# Allegro board 8880F5-0824_updates.brd (continued)
## Routing (per net, layer and track width the routed paths; a pad name or vN(x,y) marks a point on that pad's centre or on a via; arc(x,y) is an arc through that point) (continued)
D11914: length 833.7
  TOP w0.086: SITE3.125 245.03,197.78 245.11,197.86 245.11,200.65 242.49,203.28 242.49,210.41 v1(242.02,210.88)
  L07_SIGNAL w0.071: v1(198.44,202.42) 198.91,202.89 199.6,202.89 200.29,203.58 200.29,205.5 198.95,206.83 192.42,206.83 183.43,197.84 183.43,135.88 185.58,133.73 185.58,125.68 204.15,107.11 204.15,64.73 201.58,62.16 196.11,62.16 194.96,61.01 194.96,60.34 D119.14
  L30_SIGNAL w0.071: v1(242.02,210.88) 242.49,210.41 242.49,204.65 236.48,198.64 229.25,198.64 221.74,206.15 181.38,206.15 180.11,204.88 180.11,201.91 179.48,201.29 170.42,201.29 168.13,198.99 101.23,198.99 100.17,197.92 46.81,197.92 46.07,197.19 46.07,188.87 47.54,187.4 83.97,187.4 88.67,182.7 93.35,182.7 95.43,184.78 106.11,184.78 108.22,182.68 147.34,182.68 148.68,184.01 148.68,185.55 148.09,186.14 87.15,186.14 84.84,188.46 48.72,188.46 47.28,189.9 47.28,191 48.38,192.11 69.27,192.11 69.74,192.58 69.74,193.32 69.24,193.83 49.08,193.83 48.08,194.83 48.08,196.34 48.41,196.67 166.24,196.67 167.36,197.79 185.53,197.79 189.2,201.46 195.78,201.46 197.21,202.89 197.97,202.89 v1(198.44,202.42)
D11915: length 833.7
  TOP w0.086: v1(244,209.15) 244.46,208.69 244.46,203.07 245.91,201.61 245.91,197.86 245.83,197.78 SITE3.123
  L07_SIGNAL w0.071: v1(212.03,202.42) 212.5,202.89 213.53,202.89 214.33,203.7 214.33,211.09 219.74,216.5 219.74,224.9 227.79,232.95 258.37,232.95 262.12,236.7 262.12,249.59 256.49,255.21 240.16,255.21 233.35,248.4 233.35,245.96 231.87,244.48 225.55,244.48 222.48,241.41 216.95,241.41 215.88,240.34 215.88,222.58 213.17,219.86 208.97,219.86 208.1,219 208.1,135.57 207.32,134.79 206.14,134.79 205.29,135.64 205.29,219.56 204.74,220.11 203.97,220.11 203.59,219.73 203.59,139.43 203.45,139.3 202.88,139.3 202.65,139.53 202.65,200.32 201.5,201.47 200.31,201.47 199.61,200.78 199.61,147.25 198.69,146.33 197.52,146.33 196.61,147.25 196.61,199.71 195.48,200.83 194.68,200.83 193.95,200.1 193.95,141.32 205.18,130.08 205.18,53.16 202.13,50.11 194.28,50.11 193.38,51 193.38,53.56 193.38,53.68 D119.15
  L30_SIGNAL w0.071: v1(244,209.15) 244.47,208.68 244.47,203.83 238.43,197.79 228.75,197.79 221.66,204.87 211.29,204.87 210.91,204.49 210.91,203.33 211.35,202.89 211.55,202.89 v1(212.03,202.42)
D11916: length 833.7
  TOP w0.086: v1(243.16,210.88) 242.73,210.45 242.73,203.37 245.35,200.75 245.35,197.86 245.43,197.78 SITE3.124
  L07_SIGNAL w0.071: D119.16 196.92,59.62 195.42,59.62 195.16,59.88 195.16,60.93 196.19,61.96 201.66,61.96 204.35,64.65 204.35,107.19 185.78,125.76 185.78,133.82 183.63,135.96 183.63,197.76 192.5,206.63 198.87,206.63 200.09,205.41 200.09,203.66 199.51,203.09 198.91,203.09 v1(198.44,203.56)
  L30_SIGNAL w0.071: v1(243.16,210.88) 242.69,210.41 242.69,204.57 236.56,198.44 229.17,198.44 221.65,205.96 181.46,205.96 180.31,204.8 180.31,201.83 179.56,201.09 170.51,201.09 168.21,198.79 101.31,198.79 100.25,197.73 46.89,197.73 46.27,197.11 46.27,188.95 47.62,187.6 84.05,187.6 88.75,182.9 93.26,182.9 95.35,184.98 106.19,184.98 108.3,182.87 147.26,182.87 148.48,184.1 148.48,185.47 148,185.95 87.07,185.95 84.76,188.26 48.63,188.26 47.08,189.81 47.08,191.08 48.3,192.3 69.19,192.3 69.54,192.66 69.54,193.24 69.16,193.63 48.99,193.63 47.88,194.75 47.88,196.43 48.33,196.87 166.16,196.87 167.28,197.99 185.45,197.99 189.12,201.66 195.7,201.66 197.13,203.08 197.96,203.08 v1(198.44,203.56)
D12001: length 833.7
  TOP w0.086: v1(267.64,208.93) 267.21,208.5 267.21,207.41 265.32,205.52 265.32,204.13 259.35,198.16 259.35,197.86 259.43,197.78 SITE3.89
  L05_SIGNAL w0.071: v1(164.91,176.13) 165.38,175.66 166.14,175.66 166.45,175.35 166.45,173.91 165.47,172.93 161.09,172.93 153.24,180.78 153.24,204.08 161.67,212.52 161.67,250.09 164.89,253.31 170.65,253.31 172.16,254.82 172.16,261.28 170.41,263.03 89.35,263.03 57.44,231.12 57.44,132.05 76.26,113.24 76.26,29.23 83.54,21.94 159.24,21.94 162.12,24.81 162.12,33.46 D120.01
  L32_SIGNAL w0.071: v1(164.91,176.13) 164.91,175.73 164.84,175.66 158.34,175.66 153.4,170.72 153.4,145.59 160.47,138.52 205.52,138.52 209.84,134.2 228.76,134.2 230.59,136.03 272.08,136.03 281.97,145.92 281.97,198.37 279.78,200.56 274.59,200.56 271.41,197.39 263.24,197.39 261.46,199.16 261.46,201.88 267.17,207.59 267.17,208.46 v1(267.64,208.93)
D12002: length 833.7
  TOP w0.086: v1(224.31,195.45) 224.75,195.01 232.43,195.01 235.88,191.55 237.6,191.55 237.68,191.63 SITE3.137
  L05_SIGNAL w0.071: D120.02 164.78,40.32 164.78,43.4 163.92,44.25 159.16,44.25 155.7,40.8 155.7,26.35 152.61,23.26 86.39,23.26 78.5,31.16 78.5,115.42 61.3,132.62 61.3,230.18 91.35,260.23 162.74,260.23 163.67,261.16 169.48,261.16 170.07,260.56 170.07,255.27 169.09,254.29 154.07,254.29 151.34,257.03 91.41,257.03 90.91,256.52 90.91,255.94 91.36,255.49 135.91,255.49 136.48,254.92 136.48,254 135.93,253.45 112.57,253.45 111.71,252.59 111.71,251.52 112.67,250.56 140.64,250.56 144.93,246.27 144.93,174.24 156.97,162.2 164.44,162.2 v1(164.91,162.67)
  L32_SIGNAL w0.071: v1(224.31,195.45) 223.83,194.98 220.42,194.98 216.38,190.94 216.38,176.23 210.94,170.79 173.56,170.79 171.92,169.15 171.92,167.34 166.77,162.2 165.38,162.2 v1(164.91,162.67)
D12003: length 833.7
  TOP w0.086: SITE3.90 259.03,197.78 259.11,197.86 259.11,198.26 265.08,204.23 265.08,205.62 266.97,207.51 266.97,208.46 v1(266.5,208.93)
  L05_SIGNAL w0.071: v1(164.91,174.99) 165.38,175.46 166.06,175.46 166.25,175.27 166.25,173.99 165.39,173.13 161.17,173.13 153.44,180.87 153.44,204 161.87,212.43 161.87,250.01 164.97,253.12 170.74,253.12 172.36,254.74 172.36,261.37 170.5,263.23 89.27,263.23 57.24,231.2 57.24,131.97 76.06,113.15 76.06,29.14 83.46,21.74 159.33,21.74 162.31,24.73 162.31,33.37 163.08,34.14 163.68,34.14 D120.03
  L32_SIGNAL w0.071: v1(266.5,208.93) 266.97,208.46 266.97,207.67 261.26,201.96 261.26,199.08 263.16,197.19 271.5,197.19 274.67,200.36 279.7,200.36 281.77,198.29 281.77,146 272,136.23 230.5,136.23 228.68,134.4 209.92,134.4 205.61,138.72 160.56,138.72 153.6,145.67 153.6,170.64 158.42,175.46 164.84,175.46 164.91,175.39 v1(164.91,174.99)
D12004: length 833.7
  TOP w0.086: v1(224.31,194.31) 224.76,194.77 232.33,194.77 235.78,191.31 237.6,191.31 237.68,191.23 SITE3.138
  L05_SIGNAL w0.071: v1(164.91,161.52) 164.44,162 156.89,162 144.73,174.16 144.73,246.19 140.56,250.36 112.59,250.36 111.51,251.44 111.51,252.67 112.49,253.65 135.85,253.65 136.28,254.08 136.28,254.84 135.83,255.3 91.28,255.3 90.71,255.86 90.71,256.61 91.33,257.22 151.42,257.22 154.15,254.49 169.01,254.49 169.87,255.35 169.87,260.48 169.39,260.96 163.75,260.96 162.82,260.03 91.43,260.03 61.5,230.1 61.5,132.7 78.7,115.51 78.7,31.24 86.47,23.46 152.53,23.46 155.5,26.43 155.5,40.88 159.07,44.45 164,44.45 164.98,43.48 164.98,40.51 165.66,39.83 165.91,39.83 D120.04
  L32_SIGNAL w0.071: v1(164.91,161.52) 165.38,162 166.86,162 172.12,167.26 172.12,169.07 173.64,170.59 211.02,170.59 216.57,176.14 216.57,190.86 220.5,194.78 223.83,194.78 v1(224.31,194.31)
D12005: length 833.7
  TOP w0.086: SITE3.129 243.43,197.78 243.35,197.86 243.35,199.29 238.85,203.79 238.85,210.43 v1(239.3,210.88)
  L05_SIGNAL w0.071: D120.05 172.63,33.11 172.63,23.4 169.58,20.35 82.08,20.35 74.13,28.3 74.13,109.74 53.15,130.72 53.15,231.94 86.04,264.83 165.48,264.83 167.38,266.74 225.32,266.74 228.61,270.03 233.47,270.03 240.62,262.87 254.08,262.87 256.37,260.59 256.37,236.38 253.35,233.37 228.05,233.37 224.23,229.54 217.49,229.54 213.5,233.53 180.8,233.53 179.84,232.57 179.84,224.17 158.31,202.64 158.31,185.6 159.73,184.18 164.84,184.18 166.55,185.89 166.55,188.51 165.95,189.12 165.38,189.12 v1(164.91,189.59)
  L32_SIGNAL w0.071: v1(164.91,189.59) 165.38,189.12 166.7,189.12 169.03,191.45 169.03,198.91 171.62,201.5 214.49,201.5 225.41,212.42 238.41,212.42 238.83,212 238.83,211.35 v1(239.3,210.88)
D12006: length 833.7
  TOP w0.086: SITE3.142 237.68,189.63 237.6,189.55 233.04,189.55 231.83,190.76 224.76,190.76 v1(224.31,191.21)
  L05_SIGNAL w0.071: v1(164.91,148.95) 164.44,148.48 158.07,148.48 141.57,164.98 141.57,238.81 139.94,240.44 124.06,240.44 123.81,240.69 123.81,241.43 124.16,241.78 142.27,241.78 143.05,242.56 143.05,243.93 142.4,244.58 84.27,244.58 83.78,245.07 83.78,245.66 84.35,246.23 140.83,246.23 141.55,246.95 141.55,247.72 140.64,248.62 89,248.62 88.54,249.08 88.54,249.67 89.1,250.24 108,250.24 109.05,251.29 109.05,253.17 107.92,254.3 90.62,254.3 64.22,227.9 64.22,207.64 66.12,205.74 66.12,132.35 80.42,118.05 80.42,32.5 87.92,25 150.23,25 152.6,27.36 152.6,41.55 157.08,46.03 173.24,46.03 174.86,44.41 174.86,40.24 D120.06
  L32_SIGNAL w0.071: v1(164.91,148.95) 165.38,148.48 166.77,148.48 167.53,149.25 175.28,149.25 176.77,150.74 176.77,163.62 180.67,167.51 217.11,167.51 219.96,170.36 219.96,188.61 220.48,189.13 222.3,189.13 222.78,189.6 222.78,190.33 223.19,190.74 223.83,190.74 v1(224.31,191.21)
D12007: length 833.7
  TOP w0.086: v1(238.16,210.88) 238.61,210.43 238.61,203.69 243.11,199.19 243.11,197.86 243.03,197.78 SITE3.130
  L05_SIGNAL w0.071: v1(164.91,188.45) 165.38,188.92 165.86,188.92 166.35,188.43 166.35,185.98 164.75,184.38 159.81,184.38 158.51,185.68 158.51,202.55 180.04,224.09 180.04,232.49 180.88,233.33 213.42,233.33 217.4,229.35 224.31,229.35 228.13,233.17 253.44,233.17 256.56,236.3 256.56,260.67 254.17,263.07 240.71,263.07 233.55,270.23 228.53,270.23 225.24,266.93 167.3,266.93 165.39,265.03 85.96,265.03 52.95,232.02 52.95,130.63 73.93,109.66 73.93,28.22 82,20.15 169.66,20.15 172.83,23.31 172.83,33.13 D120.07
  L32_SIGNAL w0.071: v1(238.16,210.88) 238.63,211.35 238.63,211.91 238.32,212.22 225.49,212.22 214.58,201.31 171.7,201.31 169.23,198.83 169.23,191.37 166.78,188.92 165.38,188.92 v1(164.91,188.45)
D12008: length 833.7
  TOP w0.086: v1(224.31,190.07) 224.76,190.52 231.73,190.52 232.94,189.31 237.6,189.31 237.68,189.23 SITE3.143
  L05_SIGNAL w0.071: D120.08 176.28,39.62 176.16,39.62 175.06,40.71 175.06,44.49 173.32,46.23 157,46.23 152.4,41.63 152.4,27.44 150.15,25.19 88,25.19 80.61,32.58 80.61,118.14 66.32,132.43 66.32,205.82 64.42,207.72 64.42,227.82 90.7,254.1 107.84,254.1 108.86,253.09 108.86,251.38 107.92,250.44 89.02,250.44 88.34,249.76 88.34,249 88.92,248.42 140.56,248.42 141.35,247.64 141.35,247.03 140.74,246.43 84.27,246.43 83.59,245.75 83.59,244.99 84.19,244.39 142.32,244.39 142.85,243.85 142.85,242.64 142.19,241.98 124.08,241.98 123.61,241.51 123.61,240.61 123.97,240.24 139.86,240.24 141.37,238.73 141.37,164.9 157.99,148.28 164.44,148.28 v1(164.91,147.81)
  L32_SIGNAL w0.071: v1(164.91,147.81) 165.38,148.28 166.85,148.28 167.62,149.05 175.36,149.05 176.97,150.66 176.97,163.53 180.75,167.31 217.2,167.31 220.16,170.27 220.16,188.53 220.56,188.93 222.38,188.93 222.98,189.52 222.98,190.25 223.27,190.54 223.83,190.54 v1(224.31,190.07)
D12009: length 833.7
  TOP w0.086: v1(227.6,193.14) 228.04,192.7 231.52,192.7 233.88,190.35 237.6,190.35 237.68,190.43 SITE3.140
  L05_SIGNAL w0.071: v1(178.5,148.95) 178.97,148.48 179.83,148.48 180.36,147.95 180.36,146.3 178.51,144.45 174.56,144.45 170.6,140.49 145.53,140.49 132.15,153.87 132.15,176.04 131.17,177.02 110.96,177.02 110.24,177.74 110.24,179.79 111.43,180.99 131.81,180.99 132.23,181.41 132.23,182.12 131.79,182.56 119.54,182.56 117.61,184.49 96.67,184.49 95.95,183.77 81.55,183.77 80.92,184.4 80.92,185.56 81.51,186.16 130.94,186.16 132.32,187.53 132.32,188.47 131.89,188.9 119.27,188.9 117.46,187.09 106.24,187.09 104.19,189.14 82.23,189.14 81.41,189.95 81.41,191.56 82.14,192.29 94.31,192.29 95.96,190.63 131.73,190.63 132.79,191.69 132.79,193 132.24,193.55 80.71,193.55 78.82,191.66 78.82,133.88 90.34,122.36 90.34,34.89 90.77,34.46 138.41,34.46 141.99,38.04 141.99,44.52 149,51.53 200.16,51.53 204.17,47.53 204.17,28.77 202.9,27.51 183.78,27.51 182.2,29.09 182.2,33.7 D120.09
  L32_SIGNAL w0.071: v1(227.6,193.14) 227.13,192.67 226.62,192.67 226.13,192.18 226.13,184.08 226.59,183.62 226.59,169.27 211.64,154.31 197.31,154.31 192.43,149.43 183.83,149.43 183.23,150.03 181.25,150.03 179.71,148.48 178.97,148.48 v1(178.5,148.95)
D12010: length 833.7
  TOP w0.086: v1(263.79,208.93) 263.34,208.49 263.34,204.27 257.75,198.68 257.75,197.86 257.83,197.78 SITE3.93
  L05_SIGNAL w0.071: D120.10 184.93,40.15 184.93,44.07 181.76,47.24 154.11,47.24 148.99,42.13 148.99,29.07 147.35,27.42 88.22,27.42 82.57,33.08 82.57,121.2 70.2,133.56 70.2,204.28 66.71,207.78 66.71,225.42 83,241.71 122.6,241.71 122.83,241.48 122.83,240.61 122.38,240.16 84.95,240.16 84.3,239.51 84.3,238.19 85.06,237.44 129.85,237.44 130.54,236.75 130.54,234.79 129.76,234.01 106.69,234.01 106.21,233.53 106.21,230.78 107.14,229.85 137.9,229.85 139.47,228.28 139.47,159.19 151.92,146.74 167.18,146.74 170.72,150.28 170.72,199.25 180.08,208.61 180.08,216.14 180.49,216.55 181.2,216.55 v1(181.67,217.02)
  L32_SIGNAL w0.071: v1(263.79,208.93) 263.31,209.4 263.31,213.14 260.75,215.71 260.75,217.22 257.08,220.89 234.67,220.89 230.43,216.64 221.51,216.64 218.31,219.84 199.35,219.84 197.24,217.73 197.24,215.72 196.49,214.97 184.93,214.97 183.36,216.55 182.15,216.55 v1(181.67,217.02)
D12011: length 833.7
  TOP w0.086: v1(227.6,192) 228.06,192.46 231.43,192.46 233.78,190.11 237.6,190.11 237.68,190.03 SITE3.141
  L05_SIGNAL w0.071: D120.11 184.26,34.4 183.41,34.4 182.4,33.39 182.4,29.17 183.87,27.71 202.82,27.71 203.97,28.86 203.97,47.44 200.08,51.33 149.08,51.33 142.19,44.44 142.19,37.96 138.49,34.26 90.69,34.26 90.14,34.81 90.14,122.28 78.62,133.8 78.62,191.74 80.62,193.74 132.33,193.74 132.99,193.08 132.99,191.61 131.81,190.43 95.88,190.43 94.22,192.09 82.22,192.09 81.61,191.48 81.61,190.04 82.31,189.34 104.27,189.34 106.32,187.29 117.38,187.29 119.19,189.1 131.97,189.1 132.51,188.55 132.51,187.45 131.03,185.96 81.59,185.96 81.11,185.48 81.11,184.48 81.63,183.96 95.87,183.96 96.59,184.69 117.69,184.69 119.62,182.76 131.87,182.76 132.43,182.2 132.43,181.33 131.89,180.79 111.51,180.79 110.43,179.71 110.43,177.83 111.04,177.22 131.26,177.22 132.35,176.13 132.35,153.95 145.61,140.69 170.52,140.69 174.48,144.65 178.43,144.65 180.16,146.38 180.16,147.87 179.75,148.28 178.97,148.28 v1(178.5,147.81)
  L32_SIGNAL w0.071: v1(227.6,192) 227.13,192.47 226.7,192.47 226.33,192.1 226.33,184.16 226.79,183.7 226.79,169.18 211.72,154.11 197.39,154.11 192.51,149.23 183.74,149.23 183.15,149.83 181.34,149.83 179.79,148.28 178.97,148.28 v1(178.5,147.81)
D12012: length 833.7
  TOP w0.086: SITE3.94 257.43,197.78 257.51,197.86 257.51,198.78 263.1,204.37 263.1,208.47 v1(262.64,208.93)
  L05_SIGNAL w0.071: D120.12 186.39,39.67 185.81,39.67 185.13,40.35 185.13,44.15 181.85,47.44 154.03,47.44 148.8,42.21 148.8,29.15 147.27,27.62 88.31,27.62 82.77,33.16 82.77,121.28 70.4,133.65 70.4,204.37 66.91,207.86 66.91,225.33 83.08,241.51 122.51,241.51 122.63,241.4 122.63,240.69 122.29,240.36 84.87,240.36 84.11,239.59 84.11,238.11 84.98,237.24 129.77,237.24 130.34,236.67 130.34,234.87 129.67,234.21 106.61,234.21 106.01,233.61 106.01,230.7 107.06,229.65 137.82,229.65 139.27,228.2 139.27,159.11 151.84,146.54 167.26,146.54 170.92,150.2 170.92,199.17 180.28,208.53 180.28,216.06 180.57,216.35 181.2,216.35 v1(181.67,215.88)
  L32_SIGNAL w0.071: v1(181.67,215.88) 182.15,216.35 183.27,216.35 184.85,214.77 196.57,214.77 197.44,215.64 197.44,217.64 199.43,219.64 218.23,219.64 221.42,216.44 230.51,216.44 234.75,220.69 257,220.69 260.55,217.14 260.55,215.63 263.12,213.06 263.12,209.4 v1(262.64,208.93)
D12013: length 833.7
  TOP w0.086: v1(227.6,197.38) 228.04,196.95 231.86,196.95 236.46,192.35 237.6,192.35 237.68,192.43 SITE3.135
  L05_SIGNAL w0.071: D120.13 192.2,33.86 192.2,30.85 194,29.04 201.29,29.04 202.93,30.68 202.93,45.39 197.94,50.37 150.63,50.37 145.02,44.76 145.02,33.09 143.13,31.2 90.28,31.2 87.7,33.78 87.7,122.62 76.06,134.26 76.06,202.84 77.14,203.92 134.98,203.92 135.15,203.75 135.15,203.22 134.86,202.94 77.97,202.94 77.46,202.43 77.46,201.7 77.96,201.21 134.78,201.21 135.13,200.85 135.13,199.75 134.75,199.37 101.25,199.37 99.86,197.97 93.76,197.97 92.22,199.52 78.42,199.52 77.77,198.87 77.77,197.11 78.28,196.59 132.89,196.59 134.37,195.1 134.37,155.18 147.5,142.05 164.53,142.05 166.38,143.91 170.16,143.91 174.87,148.62 174.87,157.44 175.66,158.23 177.66,158.23 179.91,160.47 179.91,161.81 179.52,162.2 178.97,162.2 v1(178.5,162.67)
  L32_SIGNAL w0.071: v1(178.5,162.67) 178.97,162.2 179.68,162.2 182.98,165.49 218.38,165.49 223.22,170.34 223.22,183.12 225.28,185.17 225.28,195.71 226.48,196.91 227.13,196.91 v1(227.6,197.38)
D12014: length 833.7
  TOP w0.086: v1(256.07,208.93) 255.64,208.51 255.64,204.07 254.15,202.58 254.15,197.86 254.23,197.78 SITE3.102
  L05_SIGNAL w0.071: v1(181.67,203.56) 181.2,203.09 180.14,203.09 177.08,200.03 177.08,164.74 172.92,160.58 172.92,148.28 169.75,145.11 146.55,145.11 136.79,154.88 136.79,205.48 134.56,207.71 73.37,207.71 72.44,206.78 72.44,134.59 84.83,122.2 84.83,32.53 88.15,29.22 144.24,29.22 147.68,32.66 147.68,42.4 154.14,48.86 190.82,48.86 194.73,44.95 194.73,39.79 D120.14
  L32_SIGNAL w0.071: v1(256.07,208.93) 255.6,208.46 255.6,196.37 260.15,191.82 273.71,191.82 278.33,187.2 278.33,163.39 263.85,148.91 253.23,148.91 251.59,147.27 236.63,147.27 230.86,153.04 213.29,153.04 209.77,149.52 203.77,149.52 198.32,144.08 164.77,144.08 159.73,149.11 159.73,165.71 165.61,171.58 168.42,171.58 170.41,173.57 170.41,182.4 167.01,185.79 162.87,185.79 159.1,189.56 159.1,203 162.45,206.34 177.55,206.34 180.81,203.09 181.2,203.09 v1(181.67,203.56)
D12015: length 833.7
  TOP w0.086: SITE3.136 237.68,192.03 237.6,192.11 236.36,192.11 231.76,196.71 228.07,196.71 v1(227.6,196.24)
  L05_SIGNAL w0.071: D120.15 194.31,34.29 193.7,34.29 192.39,32.98 192.39,30.93 194.09,29.24 201.21,29.24 202.73,30.76 202.73,45.31 197.86,50.18 150.72,50.18 145.21,44.67 145.21,33 143.21,31 90.2,31 87.51,33.69 87.51,122.53 75.86,134.18 75.86,202.92 77.06,204.12 135.06,204.12 135.35,203.84 135.35,203.14 134.95,202.74 78.05,202.74 77.66,202.35 77.66,201.79 78.04,201.4 134.86,201.4 135.33,200.93 135.33,199.67 134.83,199.17 101.34,199.17 99.94,197.77 93.68,197.77 92.13,199.32 78.51,199.32 77.97,198.78 77.97,197.19 78.37,196.79 132.97,196.79 134.57,195.19 134.57,155.26 147.58,142.25 164.45,142.25 166.3,144.1 170.07,144.1 174.67,148.7 174.67,157.52 175.57,158.42 177.58,158.42 179.71,160.56 179.71,161.73 179.44,162 178.97,162 v1(178.5,161.52)
  L32_SIGNAL w0.071: v1(178.5,161.52) 178.97,162 179.76,162 183.06,165.3 218.46,165.3 223.42,170.26 223.42,183.04 225.48,185.09 225.48,195.63 226.56,196.71 227.13,196.71 v1(227.6,196.24)
D12016: length 833.7
  TOP w0.086: SITE3.103 253.83,197.78 253.91,197.86 253.91,202.68 255.4,204.17 255.4,208.46 v1(254.93,208.93)
  L05_SIGNAL w0.071: v1(181.67,202.42) 181.2,202.89 180.22,202.89 177.28,199.94 177.28,164.65 173.11,160.49 173.11,148.2 169.83,144.91 146.47,144.91 136.59,154.8 136.59,205.4 134.47,207.51 73.45,207.51 72.64,206.69 72.64,134.67 85.03,122.28 85.03,32.62 88.23,29.42 144.16,29.42 147.49,32.74 147.49,42.49 154.05,49.06 190.9,49.06 194.92,45.03 194.92,40.14 195.86,39.21 197.01,39.21 D120.16
  L32_SIGNAL w0.071: v1(254.93,208.93) 255.4,208.46 255.4,196.29 260.07,191.63 273.63,191.63 278.13,187.12 278.13,163.48 263.77,149.11 253.15,149.11 251.51,147.47 236.71,147.47 230.94,153.24 213.21,153.24 209.69,149.72 203.68,149.72 198.24,144.27 164.85,144.27 159.93,149.19 159.93,165.62 165.69,171.38 168.5,171.38 170.61,173.49 170.61,182.48 167.09,185.99 162.95,185.99 159.3,189.64 159.3,202.92 162.53,206.15 177.47,206.15 180.73,202.89 181.2,202.89 v1(181.67,202.42)
D12301: length 833.7
  TOP w0.086: SITE3.95 257.03,197.78 256.95,197.86 256.95,199.28 261.41,203.74 261.41,206.77 v1(261.86,207.21)
  L05_SIGNAL w0.071: v1(212.03,217.02) 212.5,216.55 219.13,216.55 219.8,217.22 219.8,218.79 218.87,219.72 208.21,219.72 204.1,215.61 204.1,142.35 198.78,137.03 198.78,133.53 192.35,127.1 156.77,127.1 155.64,128.23 121.86,128.23 114.39,120.76 114.39,105.94 116.47,103.86 133.39,103.86 143.43,93.81 209.4,93.81 246.3,130.72 247.54,130.72 248.23,130.03 248.23,128.8 203.3,83.87 203.3,82.24 203.83,81.71 204.99,81.71 252.11,128.83 253.33,128.83 253.96,128.2 253.96,126.83 204.71,77.57 204.71,76.32 205.02,76.01 206.01,76.01 248.15,118.14 248.81,118.14 249.32,117.62 249.32,116.74 208.3,75.72 208.3,58.13 217.84,48.59 234.68,48.59 236.63,50.54 236.63,54.47 236.34,54.75 234.81,54.75 D123.01
  L32_SIGNAL w0.071: v1(212.03,217.02) 212.5,216.55 219.43,216.55 220.48,215.5 235.18,215.5 236.61,216.93 239.17,216.93 241.81,219.57 254.14,219.57 258.84,214.86 258.84,213.71 261.38,211.17 261.38,207.69 v1(261.86,207.21)
D12302: length 833.7
  TOP w0.086: SITE3.131 242.63,197.78 242.55,197.86 242.55,198.66 236.97,204.24 236.97,208.69 v1(237.43,209.15)
  L05_SIGNAL w0.071: D123.02 238.66,60.86 238.66,61.59 237.96,62.3 232.59,62.3 230.85,64.04 230.85,95 236.27,100.41 250,100.41 252.11,102.52 257.12,102.52 260.66,98.97 271.65,98.97 276.27,94.36 276.27,10.37 276.65,9.99 277.82,9.99 278.33,10.5 278.33,69.51 279.17,70.35 280.04,70.35 280.93,69.46 280.93,10.21 281.26,9.88 282.34,9.88 282.74,10.28 282.74,96.28 283.44,96.98 284.38,96.98 285.09,96.27 285.09,11.02 286.07,10.03 291.43,10.03 292.18,10.79 292.18,89.63 303.73,101.18 303.73,123.06 298.23,128.57 276.09,128.57 274.83,129.83 262.78,129.83 257.87,134.75 240.93,134.75 233.24,127.06 210.78,127.06 208.31,129.52 208.31,132.07 205.62,134.75 205.62,184.3 210.44,189.12 211.55,189.12 v1(212.03,189.59)
  L32_SIGNAL w0.071: v1(212.03,189.59) 211.55,189.12 211.03,189.12 210.09,190.06 210.09,192.23 214.58,196.72 224.47,196.72 226.75,198.99 235.95,198.99 236.95,199.99 236.95,208.68 v1(237.43,209.15)
D12303: length 833.7
  TOP w0.086: SITE3.96 256.63,197.78 256.71,197.86 256.71,199.38 261.17,203.84 261.17,206.75 v1(260.71,207.21)
  L05_SIGNAL w0.071: D123.03 236.83,53.95 236.83,50.46 234.77,48.39 217.76,48.39 208.1,58.05 208.1,75.8 249.13,116.82 249.13,117.54 248.72,117.94 248.23,117.94 206.1,75.81 204.94,75.81 204.51,76.24 204.51,77.65 253.77,126.91 253.77,128.12 253.25,128.64 252.19,128.64 205.07,81.52 203.75,81.52 203.1,82.16 203.1,83.96 248.03,128.88 248.03,129.95 247.46,130.52 246.38,130.52 209.48,93.62 143.35,93.62 133.31,103.66 116.38,103.66 114.19,105.85 114.19,120.84 121.78,128.43 155.72,128.43 156.85,127.3 192.27,127.3 198.58,133.61 198.58,137.11 203.91,142.44 203.91,215.69 208.13,219.92 218.95,219.92 220,218.87 220,217.14 219.21,216.35 212.5,216.35 v1(212.03,215.88)
  L32_SIGNAL w0.071: v1(260.71,207.21) 261.19,207.69 261.19,211.08 258.64,213.63 258.64,214.78 254.05,219.37 241.9,219.37 239.25,216.73 236.69,216.73 235.26,215.3 220.4,215.3 219.35,216.35 212.5,216.35 v1(212.03,215.88)
D12304: length 833.7
  TOP w0.086: SITE3.132 242.23,197.78 242.31,197.86 242.31,198.56 236.73,204.14 236.73,208.71 v1(236.28,209.15)
  L05_SIGNAL w0.071: D123.04 238.86,60.86 238.86,61.68 238.04,62.49 232.67,62.49 231.05,64.12 231.05,94.91 236.35,100.22 250.08,100.22 252.19,102.32 257.04,102.32 260.58,98.78 271.57,98.78 276.07,94.28 276.07,10.29 276.56,9.79 277.91,9.79 278.53,10.42 278.53,69.43 279.26,70.15 279.95,70.15 280.73,69.38 280.73,10.13 281.18,9.68 282.42,9.68 282.94,10.2 282.94,96.2 283.52,96.78 284.3,96.78 284.89,96.19 284.89,10.93 285.99,9.83 291.51,9.83 292.38,10.71 292.38,89.55 303.93,101.09 303.93,123.15 298.31,128.77 276.17,128.77 274.91,130.03 262.87,130.03 257.95,134.95 240.85,134.95 233.16,127.25 210.86,127.25 208.51,129.61 208.51,132.15 205.82,134.83 205.82,184.22 210.53,188.92 211.55,188.92 v1(212.03,188.45)
  L32_SIGNAL w0.071: v1(212.03,188.45) 211.55,188.92 210.95,188.92 209.89,189.98 209.89,192.31 214.5,196.91 224.39,196.91 226.66,199.18 235.87,199.18 236.75,200.07 236.75,208.68 v1(236.28,209.15)
D12305: length 833.7
  TOP w0.086: v1(279.29,195.88) 278.81,196.36 269.82,196.36 265.58,192.11 264.06,192.11 263.98,192.03 SITE3.85
  L07_SIGNAL w0.071: v1(264.01,145.99) 263.54,145.51 263.54,144.73 261.98,143.16 261.98,138.32 224.31,100.65 224.31,53.89 228.14,50.07 244.9,50.07 246.99,52.15 246.99,54.5 246.65,54.85 244.87,54.85 D123.05
  L30_SIGNAL w0.071: v1(264.01,145.99) 263.55,145.53 263.55,144.67 264.49,143.73 264.49,141.61 265.56,140.55 273.77,140.55 274.54,141.32 274.54,144.86 275.54,145.86 277.83,145.86 278.86,144.83 278.86,141.34 264.69,127.17 260.16,127.17 258.2,125.21 195.19,125.21 193.65,126.75 25.18,126.75 21.58,123.16 21.58,108.74 24.62,105.7 157.16,105.7 159.02,107.56 170.6,107.56 172.57,105.6 184.03,105.6 187.17,108.73 283.29,108.73 291.28,116.72 291.28,146.69 288.47,149.49 288.47,195.03 287.15,196.35 279.76,196.35 v1(279.29,195.88)
D12306: length 833.7
  TOP w0.086: SITE3.83 263.98,191.23 264.06,191.31 266.53,191.31 269.61,194.39 275.8,194.39 v1(276.24,193.95)
  L07_SIGNAL w0.071: v1(264.01,132.4) 263.54,132.87 263.54,133.69 263.06,134.17 261.82,134.17 226.2,98.56 226.2,66.3 230.03,62.47 248.1,62.47 248.38,62.19 248.38,60.42 D123.06
  L30_SIGNAL w0.071: v1(264.01,132.4) 263.54,131.93 263.54,130.64 262.93,130.04 260.69,130.04 259.65,131.08 259.65,147.8 261.11,149.26 277.94,149.26 279.71,147.49 279.71,140.02 266.03,126.35 260.57,126.35 258.65,124.43 199.3,124.43 198.59,123.72 195.15,123.72 193.8,125.07 158.17,125.07 157.49,124.38 153.97,124.38 153.15,125.21 26.37,125.21 23.93,122.76 23.93,108.63 25.15,107.42 48.24,107.42 48.59,107.76 48.59,108.13 48.22,108.51 43,108.51 42.56,108.95 42.56,109.51 42.91,109.87 52.56,109.87 55.01,107.42 152.26,107.42 154.26,109.42 182.89,109.42 184.5,111.03 188.06,111.03 189.32,109.77 246.31,109.77 248.03,111.48 261.61,111.48 262.95,110.15 281.74,110.15 285.51,113.93 285.51,132.64 287.81,134.93 287.81,146.91 287.11,147.61 287.11,191.73 284.42,194.42 276.72,194.42 v1(276.24,193.95)
D12307: length 833.7
  TOP w0.086: v1(279.29,197.02) 278.87,196.6 269.73,196.6 265.48,192.35 264.06,192.35 263.98,192.43 SITE3.86
  L07_SIGNAL w0.071: D123.07 247.19,54.15 247.19,52.07 244.99,49.87 228.06,49.87 224.12,53.81 224.12,100.74 261.78,138.4 261.78,143.25 263.34,144.81 263.34,145.51 v1(262.87,145.99)
  L30_SIGNAL w0.071: v1(262.87,145.99) 263.36,145.5 263.36,144.59 264.29,143.65 264.29,141.53 265.48,140.35 273.85,140.35 274.74,141.23 274.74,144.78 275.63,145.66 277.75,145.66 278.66,144.75 278.66,141.42 264.61,127.37 260.08,127.37 258.12,125.41 195.27,125.41 193.73,126.95 25.1,126.95 21.38,123.24 21.38,108.66 24.54,105.51 157.24,105.51 159.1,107.36 170.52,107.36 172.48,105.4 184.12,105.4 187.25,108.54 283.38,108.54 291.48,116.64 291.48,146.77 288.67,149.58 288.67,195.11 287.23,196.55 279.76,196.55 v1(279.29,197.02)
D12308: length 833.7
  TOP w0.086: v1(276.24,195.09) 275.78,194.63 269.51,194.63 266.43,191.55 264.06,191.55 263.98,191.63 SITE3.84
  L07_SIGNAL w0.071: v1(262.87,132.4) 263.34,132.87 263.34,133.61 262.98,133.97 261.9,133.97 226.4,98.47 226.4,66.38 230.11,62.67 248.18,62.67 248.58,62.27 248.58,60.25 248.81,60.02 249.86,60.02 D123.08
  L30_SIGNAL w0.071: v1(276.24,195.09) 276.72,194.62 284.5,194.62 287.31,191.81 287.31,147.69 288.01,146.99 288.01,134.85 285.71,132.56 285.71,113.84 281.82,109.95 262.86,109.95 261.53,111.29 248.11,111.29 246.4,109.57 189.24,109.57 187.98,110.83 184.58,110.83 182.97,109.22 154.34,109.22 152.34,107.22 54.93,107.22 52.48,109.67 42.99,109.67 42.76,109.43 42.76,109.04 43.09,108.7 48.3,108.7 48.79,108.21 48.79,107.68 48.33,107.22 25.07,107.22 23.73,108.55 23.73,122.85 26.29,125.4 153.23,125.4 154.06,124.58 157.4,124.58 158.09,125.27 193.88,125.27 195.23,123.92 198.51,123.92 199.22,124.63 258.56,124.63 260.48,126.55 265.95,126.55 279.51,140.1 279.51,147.41 277.86,149.06 261.19,149.06 259.84,147.71 259.84,131.16 260.77,130.23 262.85,130.23 263.34,130.73 263.34,131.93 v1(262.87,132.4)
D12309: length 833.7
  TOP w0.086: v1(276.24,190.09) 275.8,190.53 270.02,190.53 269.2,189.71 264.06,189.71 263.98,189.63 SITE3.79
  L07_SIGNAL w0.071: D123.09 254.05,55.88 255.91,54.02 256.78,54.02 256.98,53.82 256.98,49.8 254.84,47.66 226.52,47.66 222.24,51.94 222.24,99.82 250.33,127.92 250.33,128.88 v1(250.81,129.35)
  L30_SIGNAL w0.071: v1(250.81,129.35) 250.33,129.82 250.33,131.31 247.9,133.73 238.12,133.73 234.48,130.09 206.09,130.09 205.02,129.02 197.72,129.02 196.6,130.13 145.54,130.13 143.59,132.07 143.59,133.02 144.2,133.63 163.42,133.63 163.94,134.16 163.94,135 163.43,135.52 143.52,135.52 143.23,135.81 143.23,136.64 143.62,137.03 163.65,137.03 164.23,137.61 164.23,138.28 163.47,139.03 143.73,139.03 143.14,139.62 143.14,140.31 143.38,140.55 206.25,140.55 207.31,141.62 207.31,143.37 206.9,143.79 143.34,143.79 142.95,144.18 142.95,144.54 143.32,144.91 203.53,144.91 204.13,145.51 204.13,146.69 203.38,147.44 200.11,147.44 199.36,146.69 143.25,146.69 143,146.94 143,147.52 143.17,147.69 162.64,147.69 163.04,148.09 163.04,148.69 162.5,149.22 143.84,149.22 143.38,149.69 143.38,150.3 144.49,151.41 165.75,151.41 167.32,149.84 204.71,149.84 217.29,137.26 227.88,137.26 229.65,139.03 252.54,139.03 258.74,145.22 258.74,164.96 263.84,170.06 263.84,189.54 264.86,190.56 275.77,190.56 v1(276.24,190.09)
D12311: length 833.7
  TOP w0.086: v1(276.24,191.23) 275.78,190.77 269.92,190.77 269.1,189.95 264.06,189.95 263.98,190.03 SITE3.80
  L07_SIGNAL w0.071: D123.11 257.18,53.98 257.18,49.72 254.92,47.46 226.44,47.46 222.04,51.86 222.04,99.9 250.14,128 250.14,128.88 v1(249.66,129.35)
  L30_SIGNAL w0.071: v1(276.24,191.23) 275.77,190.76 264.77,190.76 263.64,189.62 263.64,170.14 258.54,165.04 258.54,145.31 252.46,139.23 229.57,139.23 227.8,137.46 217.37,137.46 204.79,150.04 167.4,150.04 165.84,151.6 144.41,151.6 143.18,150.38 143.18,149.6 143.76,149.03 162.42,149.03 162.84,148.61 162.84,148.17 162.56,147.89 143.09,147.89 142.8,147.6 142.8,146.86 143.17,146.49 199.44,146.49 200.2,147.24 203.29,147.24 203.93,146.61 203.93,145.6 203.44,145.11 143.24,145.11 142.75,144.62 142.75,144.1 143.26,143.59 206.82,143.59 207.12,143.29 207.12,141.7 206.16,140.75 143.3,140.75 142.94,140.39 142.94,139.53 143.64,138.83 163.39,138.83 164.03,138.2 164.03,137.69 163.57,137.23 143.54,137.23 143.03,136.72 143.03,135.73 143.44,135.32 163.34,135.32 163.74,134.92 163.74,134.24 163.33,133.83 144.12,133.83 143.39,133.11 143.39,131.99 145.45,129.93 196.52,129.93 197.63,128.82 205.1,128.82 206.17,129.89 234.56,129.89 238.2,133.54 247.82,133.54 250.13,131.22 250.13,129.82 v1(249.66,129.35)
D12313: length 347.6
  L07_SIGNAL w0.071: D123.13 265.68,54.36 265.68,53.26 266.82,52.11 270.54,52.11 272.98,54.55 274.92,54.55 278.99,58.62 278.99,103.66 274.73,107.93 274.73,134.49 276.5,136.26 276.5,144.12 v1(276.97,144.59)
  L30_SIGNAL w0.071: v1(276.97,144.59) 276.5,144.12 276.5,140.56 273.33,137.39 270.96,137.39 268.83,135.25 268.83,133.55 263.31,128.03 196.19,128.03 195.21,129.01 144.89,129.01 141.74,132.16 141.74,150.24 144.22,152.71 166.29,152.71 167.13,151.87 184.41,151.87 188.37,155.84 188.37,176.38 188.09,176.66 v1(184.47,176.66)
D12314: length 833.7
  TOP w0.086: v1(279.29,187.66) 278.84,188.11 264.06,188.11 263.98,188.03 SITE3.75
  L07_SIGNAL w0.071: D123.14 269.01,60.73 269.01,61.93 271.63,64.55 275.48,64.55 277.48,66.55 277.48,102.78 272.28,107.97 272.28,129.23 273.6,130.54 273.6,143.9 271.58,145.92 271.58,158.92 272.77,160.11 275.89,160.11 276.5,159.5 276.5,158.65 v1(276.97,158.18)
  L30_SIGNAL w0.071: v1(279.29,187.66) 278.82,188.13 278.21,188.13 277.84,187.75 277.84,163.33 285.14,156.02 285.14,143.72 286.39,142.48 286.39,139.55 283.02,136.18 283.02,126.69 274.4,118.07 265.08,118.07 263.33,116.32 254.99,116.32 254.22,117.09 159.85,117.09 156.83,120.1 152,120.1 143.03,111.13 29.77,111.13 27.6,113.3 27.6,115.26 29.07,116.74 61.25,116.74 62.27,117.75 62.27,118.66 61.25,119.68 27.46,119.68 26.41,120.73 26.41,121.92 28.02,123.53 157.22,123.53 157.94,122.81 258.97,122.81 260.48,124.32 266.83,124.32 281.5,138.99 281.5,147.96 279.32,150.13 279.32,158.63 277.98,159.98 276.98,159.98 276.51,159.51 276.51,158.64 v1(276.97,158.18)
D12315: length 347.6
  L07_SIGNAL w0.071: v1(275.82,144.59) 276.3,144.12 276.3,136.34 274.53,134.57 274.53,107.84 278.79,103.58 278.79,58.71 274.84,54.75 272.9,54.75 270.46,52.31 266.9,52.31 265.87,53.34 265.87,53.45 266.96,54.53 267.89,54.53 D123.15
  L30_SIGNAL w0.071: v1(192.47,176.66) 188.84,176.66 188.57,176.38 188.57,155.76 184.49,151.68 167.05,151.68 166.21,152.52 144.3,152.52 141.94,150.16 141.94,132.24 144.97,129.21 195.29,129.21 196.28,128.23 263.23,128.23 268.63,133.63 268.63,135.34 270.88,137.58 273.24,137.58 276.3,140.64 276.3,144.12 v1(275.82,144.59)
D12316: length 833.7
  TOP w0.086: v1(279.29,188.8) 278.84,188.35 264.06,188.35 263.98,188.43 SITE3.76
  L07_SIGNAL w0.071: D123.16 270.84,59.36 270.49,59.36 269.2,60.65 269.2,61.85 271.71,64.36 275.56,64.36 277.67,66.47 277.67,102.86 272.48,108.06 272.48,129.14 273.79,130.46 273.79,143.98 271.78,146 271.78,158.83 272.86,159.91 275.81,159.91 276.3,159.42 276.3,158.65 v1(275.82,158.18)
  L30_SIGNAL w0.071: v1(275.82,158.18) 276.31,158.66 276.31,159.59 276.89,160.17 278.06,160.17 279.52,158.71 279.52,150.21 281.7,148.04 281.7,138.91 266.92,124.12 260.56,124.12 259.05,122.62 157.86,122.62 157.14,123.33 28.1,123.33 26.61,121.84 26.61,120.81 27.54,119.88 61.33,119.88 62.46,118.75 62.46,117.67 61.33,116.54 29.16,116.54 27.8,115.18 27.8,113.38 29.85,111.33 142.95,111.33 151.92,120.3 156.92,120.3 159.93,117.28 254.3,117.28 255.07,116.51 263.25,116.51 265,118.26 274.32,118.26 282.82,126.77 282.82,136.27 286.19,139.63 286.19,142.39 284.94,143.64 284.94,155.94 277.64,163.24 277.64,187.83 278.13,188.33 278.82,188.33 v1(279.29,188.8)
D12401: length 833.7
  TOP w0.086: v1(258,207.21) 257.55,206.76 257.55,204.67 254.95,202.07 254.95,197.86 255.03,197.78 SITE3.100
  L05_SIGNAL w0.071: v1(195.26,203.56) 195.73,203.09 196.41,203.09 196.69,203.37 196.69,204.08 196.33,204.44 190.47,204.44 186.04,200.01 186.04,144.55 179.73,138.24 171.45,138.24 169.65,136.44 141.83,136.44 129.5,148.77 129.5,157.87 126.9,160.47 107.76,160.47 107.01,159.72 87.54,159.72 83.45,155.63 83.45,138.72 95.48,126.69 95.48,42.35 98.24,39.59 134.74,39.59 138.42,43.28 138.42,48.42 147.38,57.37 202.31,57.37 209.31,50.37 209.31,34.24 217.07,26.48 233.19,26.48 236.52,29.82 236.52,33.28 235.56,34.24 235,34.24 D124.01
  L32_SIGNAL w0.071: v1(258,207.21) 257.53,206.74 257.53,199.02 260.34,196.21 277.53,196.21 278.69,195.05 279.71,195.05 281.16,193.61 281.16,186.74 279.89,185.48 279.89,145.97 272.62,138.7 240.07,138.7 226.67,152.1 217.88,152.1 206.26,140.48 164.68,140.48 157.35,147.81 157.35,164.69 166.02,173.36 166.02,180.4 157.98,188.44 157.98,203.53 162.97,208.52 188.15,208.52 193.58,203.09 194.79,203.09 v1(195.26,203.56)
D12402: length 833.7
  TOP w0.086: v1(224.31,199.31) 224.75,198.87 231.22,198.87 236.94,193.15 237.6,193.15 237.68,193.23 SITE3.133
  L05_SIGNAL w0.071: v1(198.44,189.59) 197.97,189.12 197.12,189.12 196.1,188.09 191.06,188.09 188.85,185.88 188.85,143.8 181.89,136.83 172.07,136.83 168.8,133.57 142.79,133.57 138.83,137.52 90.23,137.52 89.03,138.72 89.03,139.85 89.49,140.31 126.74,140.31 127.73,141.29 127.73,142.39 126.78,143.33 89.55,143.33 88.8,144.09 88.8,144.7 89.43,145.33 126.78,145.33 127.46,146.01 127.46,147.12 126.6,147.98 89.53,147.98 88.62,148.9 88.62,149.86 89.42,150.67 125.45,150.67 126.17,151.39 126.17,152.62 125.42,153.36 89.55,153.36 89.01,153.9 89.01,155.32 89.78,156.09 126.98,156.09 127.67,156.78 127.67,157.91 126.85,158.73 89.42,158.73 86.9,156.22 86.9,137.76 97.75,126.91 97.75,46.4 100.27,43.88 131.37,43.88 147.13,59.63 201.58,59.63 210.65,50.56 210.65,35.37 218,28.02 229.01,28.02 231.63,30.64 231.63,38.32 235.72,42.41 237.86,42.41 238.57,41.71 238.57,40.45 D124.02
  L32_SIGNAL w0.071: v1(198.44,189.59) 198.91,189.12 200.29,189.12 204.32,193.15 204.32,197.67 205.48,198.84 223.83,198.84 v1(224.31,199.31)
D12403: length 833.7
  TOP w0.086: SITE3.101 254.63,197.78 254.71,197.86 254.71,202.17 257.31,204.77 257.31,206.76 v1(256.85,207.21)
  L05_SIGNAL w0.071: D124.03 236.72,33.52 236.72,29.73 233.27,26.28 216.99,26.28 209.11,34.16 209.11,50.29 202.23,57.17 147.46,57.17 138.62,48.34 138.62,43.19 134.82,39.39 98.16,39.39 95.28,42.27 95.28,126.61 83.25,138.64 83.25,155.71 87.45,159.92 106.93,159.92 107.68,160.67 126.98,160.67 129.7,157.95 129.7,148.85 141.91,136.64 169.57,136.64 171.37,138.44 179.65,138.44 185.84,144.63 185.84,200.09 190.39,204.64 196.41,204.64 196.88,204.17 196.88,203.29 196.49,202.89 195.73,202.89 v1(195.26,202.42)
  L32_SIGNAL w0.071: v1(256.85,207.21) 257.33,206.74 257.33,198.94 260.26,196.01 277.44,196.01 278.6,194.85 279.63,194.85 280.96,193.53 280.96,186.82 279.69,185.56 279.69,146.05 272.53,138.89 240.16,138.89 226.75,152.3 217.8,152.3 206.18,140.68 164.76,140.68 157.54,147.89 157.54,164.61 166.22,173.28 166.22,180.48 158.18,188.52 158.18,203.44 163.06,208.32 188.07,208.32 193.5,202.89 194.79,202.89 v1(195.26,202.42)
D12404: length 833.7
  TOP w0.086: SITE3.134 237.68,192.83 237.6,192.91 236.84,192.91 231.12,198.63 224.77,198.63 v1(224.31,198.17)
  L05_SIGNAL w0.071: v1(198.44,188.45) 197.97,188.92 197.2,188.92 196.18,187.9 191.15,187.9 189.05,185.8 189.05,143.72 181.97,136.64 172.15,136.64 168.88,133.37 142.7,133.37 138.75,137.32 90.15,137.32 88.83,138.64 88.83,139.93 89.41,140.51 126.66,140.51 127.53,141.38 127.53,142.3 126.7,143.13 89.47,143.13 88.6,144.01 88.6,144.78 89.34,145.52 126.69,145.52 127.26,146.09 127.26,147.04 126.52,147.78 89.45,147.78 88.42,148.81 88.42,149.95 89.34,150.87 125.37,150.87 125.97,151.48 125.97,152.53 125.34,153.16 89.47,153.16 88.81,153.82 88.81,155.4 89.7,156.29 126.9,156.29 127.47,156.86 127.47,157.83 126.77,158.54 89.5,158.54 87.1,156.13 87.1,137.84 97.95,126.99 97.95,46.48 100.35,44.08 131.29,44.08 147.04,59.83 201.66,59.83 210.85,50.64 210.85,35.45 218.09,28.21 228.92,28.21 231.43,30.72 231.43,38.41 235.63,42.61 237.94,42.61 238.77,41.79 238.77,40.21 239.55,39.43 239.97,39.43 D124.04
  L32_SIGNAL w0.071: v1(224.31,198.17) 223.83,198.64 205.56,198.64 204.52,197.59 204.52,193.06 200.38,188.92 198.91,188.92 v1(198.44,188.45)
D12405: length 833.7
  TOP w0.086: v1(265.72,207.21) 265.28,206.78 265.28,206.31 264.35,205.37 264.35,204.04 258.55,198.23 258.55,197.86 258.63,197.78 SITE3.91
  L05_SIGNAL w0.071: v1(195.26,217.02) 195.73,216.55 196.08,216.55 196.32,216.78 196.32,218.7 195.79,219.23 186.44,219.23 182.9,215.69 182.9,147.18 176.06,140.34 172.23,140.34 170.3,138.41 144.12,138.41 131.13,151.41 131.13,164.89 129.82,166.2 96.92,166.2 95.39,167.73 95.39,169.78 96.69,171.08 105.61,171.08 107.27,169.42 129.58,169.42 130.52,170.37 130.52,172.01 130.08,172.46 107.74,172.46 107.27,171.99 82.97,171.99 82.68,172.28 82.68,173.32 83.46,174.1 105.78,174.1 106.35,174.67 106.35,176 105.51,176.83 87.18,176.83 86.73,177.29 86.73,178.8 87.26,179.34 102.2,179.34 102.66,179.8 102.66,180.71 102.11,181.27 83.34,181.27 81.35,179.27 81.35,136.25 92.79,124.81 92.79,37.3 93.26,36.83 136.82,36.83 139.95,39.96 139.95,47.36 147.26,54.67 201.66,54.67 205.84,50.49 205.84,29.34 210.35,24.84 244.31,24.84 247.31,27.84 247.31,32.9 247.12,33.08 246.32,33.08 D124.05
  L32_SIGNAL w0.071: v1(265.72,207.21) 265.24,207.69 265.24,211.41 265.89,212.05 265.89,215.81 259.97,221.72 259.97,224.83 257.9,226.91 239.26,226.91 235.57,230.59 232.62,230.59 230.79,232.42 227.07,232.42 216.77,222.12 199.94,222.12 196.32,218.49 196.32,216.92 195.95,216.55 195.73,216.55 v1(195.26,217.02)
D12406: length 833.7
  TOP w0.086: SITE3.98 255.83,197.78 255.75,197.86 255.75,201.48 258.7,204.43 258.7,206.53 259.46,207.3 259.46,208.47 v1(259.93,208.93)
  L05_SIGNAL w0.071: v1(198.44,217.02) 197.97,216.55 197.58,216.55 197.03,216 197.03,207.43 199.83,204.64 199.83,187.7 196.88,184.76 191.74,184.76 189.89,182.9 189.89,142.7 178.63,131.44 128.86,131.44 125.47,134.83 105.16,134.83 100.24,129.92 100.24,46.32 100.78,45.79 101.55,45.79 102.83,47.07 102.83,125.63 103.83,126.62 104.53,126.62 105.3,125.85 105.3,47.23 106.07,46.46 107.21,46.46 107.9,47.15 107.9,125.78 108.49,126.37 109.58,126.37 110.37,125.58 110.37,47.84 111.29,46.92 127.95,46.92 143.22,62.19 201.37,62.19 217.68,45.88 247.17,45.88 248.63,44.42 248.63,40.35 D124.06
  L32_SIGNAL w0.071: v1(198.44,217.02) 198.91,216.55 199.83,216.55 203.46,212.92 209.57,212.92 209.88,213.22 239.5,213.22 241.11,214.83 251.01,214.83 252.06,215.88 254.93,215.88 259.45,211.36 259.45,209.4 v1(259.93,208.93)
D12407: length 833.7
  TOP w0.086: SITE3.92 258.23,197.78 258.31,197.86 258.31,198.33 264.11,204.13 264.11,205.47 265.04,206.4 265.04,206.74 v1(264.57,207.21)
  L05_SIGNAL w0.071: v1(195.26,215.88) 195.73,216.35 196.17,216.35 196.51,216.7 196.51,218.79 195.87,219.43 186.36,219.43 182.7,215.77 182.7,147.26 175.98,140.54 172.15,140.54 170.22,138.61 144.21,138.61 131.33,151.49 131.33,164.98 129.91,166.4 97.01,166.4 95.59,167.81 95.59,169.7 96.77,170.88 105.53,170.88 107.18,169.22 129.66,169.22 130.72,170.29 130.72,172.09 130.16,172.65 107.66,172.65 107.19,172.18 83.05,172.18 82.88,172.36 82.88,173.23 83.54,173.9 105.86,173.9 106.55,174.59 106.55,176.08 105.59,177.03 87.26,177.03 86.92,177.37 86.92,178.72 87.34,179.14 102.28,179.14 102.86,179.72 102.86,180.8 102.19,181.47 83.26,181.47 81.15,179.36 81.15,136.17 92.59,124.73 92.59,37.22 93.18,36.63 136.91,36.63 140.14,39.87 140.14,47.28 147.34,54.48 201.58,54.48 205.65,50.41 205.65,29.26 210.26,24.64 244.39,24.64 247.51,27.76 247.51,34.15 D124.07
  L32_SIGNAL w0.071: v1(264.57,207.21) 265.04,207.69 265.04,211.49 265.69,212.14 265.69,215.73 259.78,221.64 259.78,224.75 257.82,226.71 239.17,226.71 235.49,230.4 232.54,230.4 230.71,232.22 227.15,232.22 216.85,221.92 200.02,221.92 196.51,218.41 196.51,216.84 196.03,216.35 195.73,216.35 v1(195.26,215.88)
D12408: length 833.7
  TOP w0.086: SITE3.99 255.43,197.78 255.51,197.86 255.51,201.58 258.46,204.53 258.46,206.63 259.23,207.4 259.23,208.49 v1(258.78,208.93)
  L05_SIGNAL w0.071: v1(198.44,215.88) 197.97,216.35 197.66,216.35 197.23,215.92 197.23,207.51 200.02,204.72 200.02,187.62 196.97,184.56 191.82,184.56 190.09,182.82 190.09,142.62 178.71,131.24 128.78,131.24 125.39,134.64 105.24,134.64 100.44,129.84 100.44,46.4 100.86,45.98 101.47,45.98 102.63,47.15 102.63,125.71 103.75,126.82 104.61,126.82 105.5,125.93 105.5,47.31 106.16,46.65 107.12,46.65 107.7,47.23 107.7,125.86 108.41,126.57 109.66,126.57 110.57,125.67 110.57,47.93 111.38,47.12 127.87,47.12 143.14,62.39 201.45,62.39 217.76,46.08 247.25,46.08 248.83,44.5 248.83,39.89 249.2,39.51 250.05,39.51 D124.08
  L32_SIGNAL w0.071: v1(198.44,215.88) 198.91,216.35 199.74,216.35 203.38,212.72 209.65,212.72 209.96,213.02 239.58,213.02 241.19,214.63 251.09,214.63 252.15,215.68 254.85,215.68 259.26,211.28 259.26,209.4 v1(258.78,208.93)
D12501: length 413.5
  TOP w0.086: v1(228.38,238.12) 228.77,238.5 237.61,238.5 237.68,238.43 SITE1.170
  L03_SIGNAL w0.071: D125.01 14.11,95.11 15.13,95.11 15.7,94.54 15.7,92.61 14.28,91.19 11.61,91.19 9.03,93.76 9.03,194.4 75.2,260.57 195.23,260.57 196.58,259.22 196.58,258.09 197.17,257.5 197.71,257.5 v2(198.18,257.03)
  L28_SIGNAL w0.071: v1(228.38,238.12) 227.91,238.59 227.66,238.59 226.86,239.39 226.86,244.38 225.57,245.67 225.57,259.4 221.99,262.98 199.07,262.98 198.54,262.45 198.54,261.8 199.21,261.12 204.95,261.12 205.56,260.51 205.56,259.48 204.84,258.76 200.96,258.76 199.7,257.5 198.66,257.5 v2(198.18,257.03)
D12502: length 457
  TOP w0.086: SITE1.6 244.23,231.48 244.15,231.4 244.15,227.37 235.41,218.63 v1(235.41,217.99)
  L03_SIGNAL w0.071: v2(212.03,243.31) 212.5,243.78 213.52,243.78 214.12,244.39 214.12,248.25 207.95,254.43 74.02,254.43 16.42,196.83 16.42,100.24 D125.02
  L28_SIGNAL w0.071: v1(235.41,217.99) 235.41,218.66 235.72,218.97 235.72,223.1 236.32,223.7 236.32,230.3 235.08,231.55 235.08,237.69 233.44,239.32 233.44,253.18 220.44,266.18 200.69,266.18 197.16,262.65 197.16,251.29 203.57,244.88 209.72,244.88 210.81,243.78 211.55,243.78 v2(212.03,243.31)
D12503: length 413.5
  TOP w0.086: v1(228.38,239.26) 228.9,238.74 237.59,238.74 237.68,238.83 SITE1.169
  L03_SIGNAL w0.071: v2(198.18,258.17) 197.71,257.7 197.25,257.7 196.78,258.17 196.78,259.3 195.31,260.77 75.12,260.77 8.84,194.48 8.84,93.68 11.53,90.99 14.36,90.99 15.9,92.53 15.9,94.64 D125.03
  L28_SIGNAL w0.071: v2(198.18,258.17) 198.66,257.7 199.62,257.7 200.88,258.96 204.76,258.96 205.36,259.57 205.36,260.43 204.86,260.93 199.13,260.93 198.34,261.72 198.34,262.53 198.99,263.17 222.08,263.17 225.77,259.48 225.77,245.75 227.06,244.47 227.06,239.47 227.74,238.79 227.91,238.79 v1(228.38,239.26)
D12504: length 457
  TOP w0.086: v1(234.6,218.8) 235.24,218.8 243.91,227.47 243.91,231.4 243.83,231.48 SITE1.5
  L03_SIGNAL w0.071: D125.04 19.24,100.14 17.07,100.14 16.62,100.6 16.62,196.75 74.1,254.23 207.87,254.23 213.93,248.17 213.93,244.47 213.44,243.98 212.5,243.98 v2(212.03,244.46)
  L28_SIGNAL w0.071: v2(212.03,244.46) 211.55,243.98 210.9,243.98 209.8,245.07 203.66,245.07 197.36,251.37 197.36,262.57 200.78,265.98 220.36,265.98 233.24,253.1 233.24,239.24 234.88,237.61 234.88,231.46 236.12,230.22 236.12,223.78 235.52,223.19 235.52,219.05 235.27,218.8 v1(234.6,218.8)
D12505: length 413.5
  TOP w0.086: v1(225.36,240.02) 225.84,240.5 232.15,240.5 233.34,239.31 237.6,239.31 237.68,239.23 SITE1.168
  L03_SIGNAL w0.071: v1(211.77,257.03) 211.3,257.5 209.9,257.5 204.65,262.74 67.55,262.74 7.52,202.72 7.52,91.24 11.23,87.53 23.45,87.53 25.87,89.95 25.87,94.36 24.84,95.38 24,95.38 D125.05
  L28_SIGNAL w0.071: v1(225.36,240.02) 224.89,240.49 224.23,240.49 222.61,242.11 222.61,251.67 216.79,257.5 212.24,257.5 v1(211.77,257.03)
D12506: length 457
  TOP w0.086: SITE1.8 245.03,231.48 244.95,231.4 244.95,225.37 239.21,219.63 v1(239.21,218.99)
  L03_SIGNAL w0.071: D125.06 26.69,100.35 26.69,112.08 24.6,114.16 24.6,198.86 78.71,252.96 196.1,252.96 199.85,249.22 199.85,244.28 199.35,243.78 198.91,243.78 v2(198.44,243.31)
  L28_SIGNAL w0.071: v1(239.21,218.99) 239.21,219.66 239.41,219.86 239.41,263.47 232.91,269.97 188.08,269.97 185.4,267.29 185.4,256.15 190.72,250.83 190.72,248.42 192.05,247.09 194.01,247.09 197.31,243.78 197.97,243.78 v2(198.44,243.31)
D12507: length 413.5
  TOP w0.086: SITE1.167 237.68,239.63 237.6,239.55 233.44,239.55 232.25,240.74 225.78,240.74 v1(225.36,241.16)
  L03_SIGNAL w0.071: D125.07 26.07,94.65 26.07,89.87 23.53,87.33 11.15,87.33 7.32,91.16 7.32,202.8 67.46,262.94 204.74,262.94 209.98,257.7 211.3,257.7 v2(211.77,258.17)
  L28_SIGNAL w0.071: v2(211.77,258.17) 212.24,257.7 216.87,257.7 222.81,251.76 222.81,242.19 224.31,240.69 224.89,240.69 v1(225.36,241.16)
D12508: length 457
  TOP w0.086: SITE1.7 244.63,231.48 244.71,231.4 244.71,225.47 239.04,219.8 v1(238.4,219.8)
  L03_SIGNAL w0.071: D125.08 29.41,100.13 27.05,100.13 26.88,100.3 26.88,112.16 24.8,114.24 24.8,198.77 78.79,252.77 196.02,252.77 199.65,249.14 199.65,244.37 199.26,243.98 198.91,243.98 v2(198.44,244.46)
  L28_SIGNAL w0.071: v1(238.4,219.8) 239.07,219.8 239.21,219.94 239.21,263.38 232.82,269.77 188.16,269.77 185.59,267.21 185.59,256.24 190.92,250.91 190.92,248.5 192.13,247.29 194.09,247.29 197.4,243.98 197.97,243.98 v2(198.44,244.46)
D12509: length 413.5
  TOP w0.086: SITE1.2 242.63,231.48 242.55,231.4 242.55,231.18 242.13,230.76 234.03,230.76 233.52,230.25 228.97,230.25 v1(228.51,229.79)
  L03_SIGNAL w0.071: v2(195.26,243.31) 194.79,243.78 193.68,243.78 192.61,244.86 190.06,244.86 188.99,243.78 185.49,243.78 181.14,239.43 166.98,239.43 164.83,237.28 83.88,237.28 45.32,198.73 45.32,129.02 59.27,115.07 59.27,95.31 52.98,89.02 37.07,89.02 35.22,90.88 35.22,94.32 D125.09
  L28_SIGNAL w0.071: v1(228.51,229.79) 228.98,230.26 229.7,230.26 230.51,231.07 230.51,235.79 229.15,237.15 227.35,237.15 226.88,237.61 226.88,238.52 226.31,239.09 224.39,239.09 221.93,241.55 216.08,241.55 215.45,242.19 189.4,242.19 185.86,245.73 185.86,248.35 184.74,249.47 183.79,249.47 181.79,251.47 181.79,252.77 182.48,253.46 183.87,253.46 193.55,243.78 195.19,243.78 195.26,243.71 v2(195.26,243.31)
D12510: length 413.5
  TOP w0.086: SITE1.174 237.68,236.83 237.6,236.91 236.1,236.91 234.04,234.85 228.85,234.85 v1(228.4,234.39)
  L03_SIGNAL w0.071: v2(181.67,243.31) 182.15,243.78 182.42,243.78 182.74,244.1 182.74,246.33 180.03,249.04 79.89,249.04 29.32,198.48 29.32,120.28 36.74,112.86 36.74,100.24 D125.10
  L28_SIGNAL w0.071: v1(228.4,234.39) 227.93,234.87 226.93,234.87 225.95,235.84 225.95,237.7 225.38,238.27 223.86,238.27 222.01,240.13 170.47,240.13 169.55,241.04 169.55,245.93 169.97,246.35 171.17,246.35 171.56,245.97 171.56,241.95 172.08,241.43 172.77,241.43 173.36,242.02 173.36,244.75 173.86,245.25 174.56,245.25 175.12,244.7 175.12,242.8 175.71,242.22 179.9,242.22 180.47,242.79 180.47,247.12 178.27,249.32 175.1,249.32 174.48,249.94 174.48,252.49 174.97,252.98 178.03,252.98 183.18,247.83 183.18,244.28 182.69,243.78 182.15,243.78 v2(181.67,243.31)
D12511: length 413.5
  TOP w0.086: v1(228.51,230.93) 228.95,230.49 233.42,230.49 233.93,231 242.03,231 242.31,231.28 242.31,231.4 242.23,231.48 SITE1.1
  L03_SIGNAL w0.071: v2(195.26,244.46) 194.79,243.98 193.77,243.98 192.69,245.06 189.98,245.06 188.91,243.98 185.41,243.98 181.06,239.63 166.9,239.63 164.75,237.48 83.79,237.48 45.13,198.81 45.13,128.93 59.07,114.99 59.07,95.39 52.9,89.22 37.16,89.22 35.41,90.96 35.41,94.72 35.79,95.09 36.67,95.09 D125.11
  L28_SIGNAL w0.071: v1(228.51,230.93) 228.98,230.46 229.62,230.46 230.31,231.16 230.31,235.71 229.07,236.95 227.26,236.95 226.68,237.53 226.68,238.43 226.22,238.89 224.31,238.89 221.85,241.36 216,241.36 215.36,241.99 189.32,241.99 185.66,245.65 185.66,248.27 184.66,249.27 183.71,249.27 181.6,251.39 181.6,252.86 182.4,253.66 183.96,253.66 193.63,243.98 195.19,243.98 195.26,244.05 v2(195.26,244.46)
D12512: length 413.5
  TOP w0.086: v1(228.4,235.54) 228.85,235.08 233.94,235.08 236,237.15 237.6,237.15 237.68,237.23 SITE1.173
  L03_SIGNAL w0.071: v2(181.67,244.46) 182.15,243.98 182.34,243.98 182.54,244.18 182.54,246.25 179.95,248.84 79.97,248.84 29.52,198.39 29.52,120.36 36.94,112.94 36.94,100.65 37.4,100.19 39.51,100.19 D125.12
  L28_SIGNAL w0.071: v1(228.4,235.54) 227.93,235.06 227.01,235.06 226.14,235.93 226.14,237.79 225.46,238.47 223.95,238.47 222.09,240.32 170.55,240.32 169.75,241.13 169.75,245.85 170.05,246.16 171.09,246.16 171.36,245.88 171.36,241.86 171.99,241.23 172.85,241.23 173.56,241.93 173.56,244.67 173.94,245.06 174.48,245.06 174.92,244.61 174.92,242.72 175.63,242.02 179.98,242.02 180.67,242.71 180.67,247.2 178.35,249.52 175.18,249.52 174.68,250.02 174.68,252.41 175.05,252.78 177.95,252.78 182.98,247.75 182.98,244.36 182.61,243.98 182.15,243.98 v2(181.67,244.46)
